# Altium PCB Pannel3.5x2 Ver0.2.PcbDoc (part 3 of 4)
Units mil, origin at the board's own origin, x right, y up, seen from the top; angles counter-clockwise.
Board outline 4133.86 x 2283.46 mil, 4 copper layers (SIGNAL, GROUND, PWR, SIGNAL (Bottom)), stack 61.627 mil thick; 222 components, 165 nets, 808 pads, 673 vias.
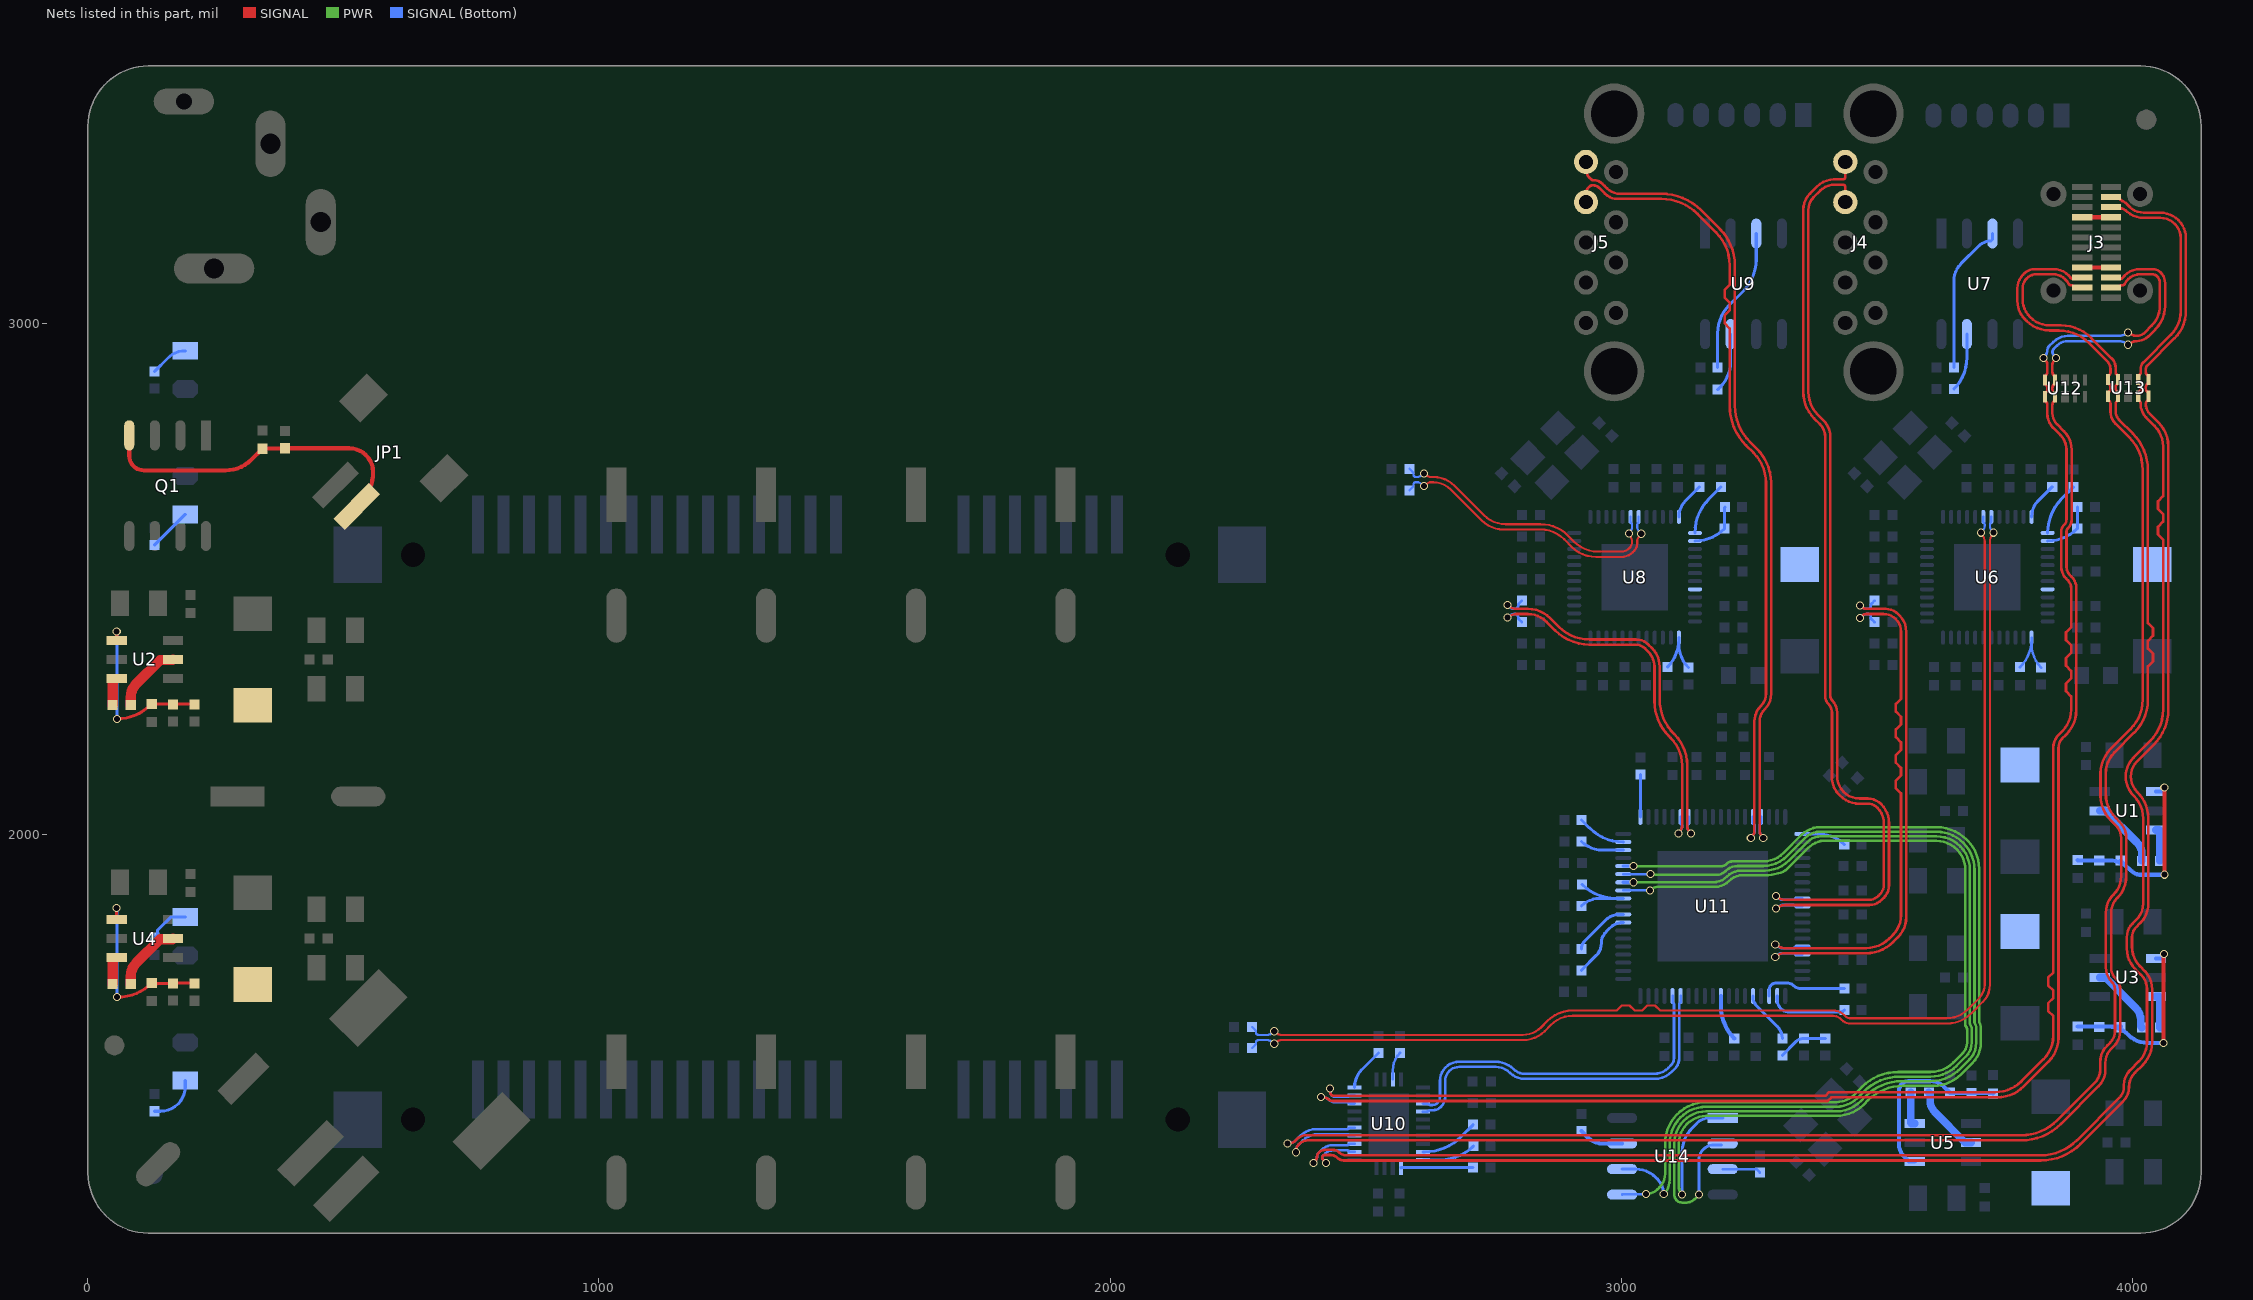
[diagram p5: the nets of this part, all layers, seen from the top]

## Via types
v1: diameter 15.75, hole 11.81, SIGNAL to SIGNAL (Bottom), tented both sides, 673 vias

## Nets (pads, with @x,y where several pads share a name; then routed paths per layer and width w, separated by ;. In a path a pad name is that pad's centre, name@x,y a point inside that pad or via, vN(x,y) a via of type N, cw(c..) or ccw(c..) an arc to the next point about the centre after c; other vN are vias at no path point) (continued)
IN_SSRX2_N: J3.A11 U10.9 U12.5 U12.6 | length 3387.3
  SIGNAL w5.1: v1(2430,1503) cw(c2428.03,1501.03) 2430.82,1501.03 2430.82,1494.69 ccw(c2437.16,1494.69) 2432.47,1490.43 ccw(c2437.16,1494.69) 2432.68,1490.21 ccw(c2437.16,1494.69) 2437.16,1488.35 3399.35,1488.35 3406.64,1495.64 3731.54,1495.64 ccw(c3731.54,1568.46) 3783,1516.94 ; 3783.03,1516.97 3826.03,1559.97 ccw(c3780.01,1605.99) 3845.09,1605.99 3845.09,1629.5 3845.09,1644.5 3835.09,1654.5 3835.09,1669.5 3845.09,1679.5 3845.09,1694.5 3835.09,1704.5 3835.09,1719.5 3845.09,1729.5 3845.09,1775.5 3845.09,2169.67 cw(c3879.89,2169.67) 3845.09,2169.76 cw(c3879.89,2169.67) 3855.23,2194.23 cw(c3879.89,2169.67) 3855.28,2194.28 3862.54,2201.54 ccw(c3820.4,2243.69) 3880,2243.69 3880,2254.94 3880,2269.94 3870,2279.94 3870,2294.94 3880,2304.94 3880,2319.94 3870,2329.94 3870,2344.94 3880,2354.94 3880,2369.94 3870,2379.94 3870,2394.94 3880,2404.94 3880,2465 3880,2481.2 ccw(c3857.31,2481.2) 3873.35,2497.25 3869.97,2500.64 cw(c3892.12,2522.79) 3860.79,2522.79 3860.79,2591.71 cw(c3880.99,2591.71) 3860.79,2591.77 cw(c3880.99,2591.71) 3866.68,2605.96 ccw(c3856.55,2616.13) 3870.9,2616.13 3870.9,2752.54 ccw(c3830.5,2752.54) 3859.07,2781.11 3845.03,2795.14 cw(c3873.33,2823.44) 3844.99,2795.18 cw(c3873.33,2823.44) 3833.31,2823.44 3833.31,2840.12 ccw(c3823.11,2840.12) U12.6@3830.33,2847.33 ; v1@3829.74,2927.27 cw(c3821.1,2918.63) 3833.31,2918.63 3833.31,2904.57 cw(c3823.11,2904.57) 3830.32,2897.36 3829.91,2897.36 3829.21,2896.66 ccw(c3830.89,2894.99) 3828.52,2894.99 U12.5@3828.52,2888.78 3828.52,2882.58 ccw(c3830.89,2882.58) 3829.21,2880.9 3829.91,2880.21 3830.32,2880.21 cw(c3823.11,2873) 3833.31,2873 3833.31,2869.58 cw(c3828.21,2869.58) 3831.82,2865.98 3830.32,2864.48 3829.91,2864.48 ccw(c3833.26,2861.13) 3828.52,2861.13 U12.6@3828.52,2855.91 3828.52,2849.7 ccw(c3830.89,2849.7) 3829.21,2848.03 3829.91,2847.34 U12.6@3830.32,2847.34 ; J3.A11@3958.34,3069.42 3968.74,3069.42 ccw(c3968.74,3077.6) 3974.52,3071.81 cw(c3980.3,3066.03) 3980.3,3074.21 ccw(c3980.3,3079.31) 3984.51,3076.43 3988.19,3081.76 cw(c4014.64,3063.51) 3991.86,3086.18 cw(c4014.64,3063.51) 3991.97,3086.29 cw(c4014.64,3063.51) 4014.64,3095.65 4038.91,3095.65 cw(c4038.91,3082.52) 4048.18,3091.82 cw(c4034.91,3078.52) 4053.7,3078.52 4053.7,3033.95 cw(c3998.75,3033.95) 4037.63,2995.11 ; v1(3991,2982.15) cw(c3991,2979.36) 3992.97,2981.34 ccw(c4008.27,2996.63) 4006.1,2975.11 ccw(c4008.27,2996.63) 4008.27,2975 ccw(c4008.27,2997.31) 4024.03,2981.52 ; 4024.05,2981.53 4037.61,2995.09
  SIGNAL (Bottom) w5.1: v1@2430.82,1496.14 ccw(c2440.67,1496.14) 2433.7,1489.18 ccw(c2440.67,1496.14) 2433.93,1488.96 ccw(c2440.67,1496.14) 2440.67,1486.29 2463.4,1486.29 ccw(c2463.4,1491.12) 2466.81,1487.71 cw(c2470.23,1484.3) 2470.23,1489.12 U10.9@2478.07,1489.12 ; v1(3826.16,2932) cw(c3828.95,2932) v1@3826.98,2933.97 ; v1@3826.98,2933.97 3829.46,2936.46 ccw(c3820.16,2945.76) 3833.31,2945.76 cw(c3846.46,2945.76) 3837.16,2955.06 3845.24,2963.13 cw(c3873.9,2934.47) 3845.3,2963.19 cw(c3873.9,2934.47) 3873.9,2975 3973.73,2975 ccw(c3973.73,2996.63) 3989.03,2981.34 cw(c3991,2979.36) v1(3991,2982.15)
IN_SSRX2_P: J3.A10 U10.8 U12.4 U12.7 | length 3393
  SIGNAL w5.1: v1(2412.74,1485.74) ccw(c2414.71,1487.71) 2414.71,1484.92 2418.96,1484.92 cw(c2418.96,1473.53) 2427.01,1481.59 ccw(c2435.07,1489.64) 2435.07,1478.25 3403.53,1478.25 3410.83,1485.54 3735.72,1485.54 ccw(c3735.72,1558.36) 3787.18,1506.84 3836.13,1555.79 ccw(c3790.11,1601.8) 3855.19,1601.8 3855.19,2169.64 cw(c3879.98,2169.64) 3862.45,2187.17 3869.71,2194.43 ccw(c3820.49,2243.65) 3869.77,2194.48 ccw(c3820.49,2243.65) 3890.1,2243.65 3890.1,2481.25 ccw(c3857.41,2481.25) 3880.53,2504.36 3877.17,2507.72 ; v1@3846.99,2927.27 ccw(c3855.63,2918.63) 3843.41,2918.63 3843.41,2904.57 ccw(c3853.61,2904.57) 3846.4,2897.36 3846.82,2897.36 3847.51,2896.66 cw(c3845.84,2894.99) 3848.2,2894.99 U12.4@3848.2,2888.78 3848.2,2882.58 cw(c3845.84,2882.58) 3847.51,2880.9 3846.82,2880.21 3846.4,2880.21 ccw(c3853.61,2873) 3843.41,2873 3843.41,2869.58 ccw(c3848.51,2869.58) 3844.91,2865.98 3846.4,2864.48 3846.82,2864.48 cw(c3843.47,2861.13) 3848.2,2861.13 U12.7@3848.2,2855.91 3848.2,2849.7 cw(c3845.84,2849.7) 3847.51,2848.03 3846.82,2847.34 3846.4,2847.34 ccw(c3853.61,2840.12) 3843.41,2840.12 3843.41,2823.49 ccw(c3873.46,2823.49) 3852.21,2802.25 3866.25,2788.21 cw(c3830.65,2752.61) 3881,2752.61 3881,2616.08 cw(c3856.66,2616.08) 3873.86,2598.86 ccw(c3881.08,2591.67) 3870.89,2591.67 3870.89,2522.88 ccw(c3892.34,2522.88) 3877.15,2507.74 ; J3.A10@3958.34,3089.1 3968.74,3089.1 cw(c3968.74,3080.92) 3974.52,3086.71 3975.48,3086.54 3976.57,3086.54 ccw(c3976.57,3091.64) 3980.65,3088.58 cw(c4014.64,3063.51) 4014.64,3105.75 4040.17,3105.75 cw(c4040.17,3085.55) 4054.45,3099.83 4055.38,3098.91 cw(c4035.04,3078.57) 4063.8,3078.57 4063.8,3033.82 cw(c3999.05,3033.82) 4044.83,2988.04 4031.13,2974.33 cw(c4008.36,2997.1) 4008.36,2964.9 4008.27,2964.9 ccw(c4008.27,2943.27) 4006.1,2964.79 ccw(c4008.27,2943.27) 3992.97,2958.56 cw(c3991,2960.54) v1(3991,2957.75)
  SIGNAL (Bottom) w5.1: v1@2418.62,1484.92 cw(c2418.62,1472.71) 2425.2,1483 cw(c2418.62,1472.71) 2427.25,1481.35 2428.04,1480.55 ccw(c2438.57,1491.09) 2428.7,1479.94 ccw(c2438.57,1491.09) 2438.57,1476.19 2463.4,1476.19 cw(c2463.4,1471.37) 2466.81,1474.78 ccw(c2470.23,1478.19) 2470.23,1473.37 U10.8@2478.07,1473.37 ; v1@3849.75,2933.97 cw(c3847.77,2932) v1(3850.57,2932) ; v1@3849.75,2933.97 3845.78,2937.94 cw(c3851.51,2943.67) 3843.51,2942.42 cw(c3851.51,2943.67) 3843.41,2943.67 cw(c3851.51,2943.67) 3845.78,2949.38 3852.37,2955.98 cw(c3873.93,2934.38) 3873.93,2964.9 3973.73,2964.9 cw(c3973.73,2943.27) 3989.03,2958.56 ccw(c3991,2960.54) v1(3991,2957.75)
IN_SSTX1_N: J3.A3 U10.3 U13.2 U13.9 | length 3713.3
  SIGNAL w5.1: v1(2397.59,1357) cw(c2400.38,1357) v1@2398.41,1358.97 ; v1@2398.41,1358.97 2401.77,1362.34 ccw(c2394.6,1369.52) 2404.75,1369.52 cw(c2414.89,1369.52) 2407.71,1376.69 2409.24,1378.22 cw(c2419.88,1367.58) 2419.88,1382.62 2435.73,1382.62 cw(c2435.73,1364.49) 2448.55,1377.31 ccw(c2461.37,1390.14) 2461.37,1372 3820.32,1372 ccw(c3820.32,1472) 3891.03,1401.29 3974.48,1484.74 ccw(c3953.57,1505.64) 3983.14,1505.64 3983.14,1509.83 cw(c4022.81,1509.83) 3994.74,1537.86 ; J3.A3@3958.34,3226.9 ccw(c3961.21,3229.77) 3961.21,3225.71 3970.7,3225.71 cw(c3970.7,3198.75) 3989.77,3217.81 3989.82,3217.76 3989.88,3217.76 ccw(c4021.97,3255.67) 4021.97,3206 4054.42,3206 cw(c4054.42,3165.98) 4082.7,3194.3 cw(c4054.42,3165.98) 4094.45,3165.98 4094.45,3023.58 cw(c4029.42,3023.58) 4075.4,2977.6 4021.28,2923.48 ccw(c4033.78,2910.99) 4016.11,2910.99 4016.11,2903.55 cw(c4011.01,2903.55) 4014.61,2899.94 4013.12,2898.45 4012.7,2898.45 ccw(c4016.05,2895.1) 4011.31,2895.1 U13.2@4011.31,2889.87 4011.31,2883.67 ccw(c4013.68,2883.67) 4012.01,2882 4012.7,2881.3 4013.12,2881.3 cw(c4005.91,2874.09) 4016.11,2874.09 4016.11,2870.67 cw(c4011.01,2870.67) 4014.61,2867.07 4013.12,2865.57 4012.7,2865.57 ccw(c4016.05,2862.22) 4011.31,2862.22 U13.9@4011.31,2857 4011.31,2850.8 ccw(c4013.68,2850.8) 4012.01,2849.12 4012.7,2848.43 U13.9@4013.12,2848.43 ; 3994.76,1537.88 4012.94,1556.06 ccw(c3975.74,1593.26) 4028.35,1593.26 4028.35,1697.27 ccw(c3988.8,1697.27) 4016.78,1725.22 ; 4002,2076 cw(c4039.01,2112.94) 3986.72,2112.94 3986.72,2113.03 cw(c4039.04,2113.03) 3986.72,2113.13 cw(c4039.04,2113.03) 4002.03,2150.02 ; 4002.03,2075.97 cw(c3956.24,2030.18) 4021,2030.18 4021,1864.73 cw(c3976.47,1864.73) 4007.97,1833.25 3999.97,1825.25 ccw(c4026.46,1798.77) 3999.91,1825.19 ccw(c4026.46,1798.77) 3989,1798.85 ccw(c4026.46,1798.77) 3989,1798.77 3989,1775.88 ccw(c4044.25,1775.88) 4005.18,1736.82 4016.77,1725.23 ; 4002.04,2150.03 4034.51,2182.49 ccw(c3972.96,2244.04) 4060,2244.04 4060,2561.5 4060,2576.5 4050,2586.5 4050,2601.5 4060,2611.5 4060,2626.5 4050,2636.5 4050,2651.5 4060,2661.5 4060,2705 4060,2758.7 ccw(c4003.2,2758.7) 4043.37,2798.85 4026.73,2815.49 ; U13.9@4013.12,2848.42 cw(c4005.91,2841.22) 4016.11,2841.22 4016.11,2841.14 ccw(c4052.38,2841.14) 4026.7,2815.52
  SIGNAL (Bottom) w5.1: v1@2401.77,1362.34 ccw(c2394.6,1369.52) 2404.75,1369.52 cw(c2414.89,1369.52) 2407.71,1376.69 2413.82,1382.79 cw(c2435.59,1361.02) 2435.59,1391.81 2463.41,1391.81 ccw(c2463.41,1396.62) U10.3@2466.81,1393.21 ; U10.3@2466.83,1393.23 cw(c2470.22,1389.82) 2470.22,1394.63 U10.3@2478.07,1394.63
IN_SSTX1_P: J3.A2 U10.2 U13.1 U13.10 | length 3698
  SIGNAL w5.1: v1@2421.18,1358.97 cw(c2419.21,1357) v1(2422,1357) ; v1@2421.18,1358.97 2416.34,1363.82 cw(c2419.95,1367.42) 2414.85,1367.42 cw(c2419.95,1367.42) 2416.34,1371.03 cw(c2419.95,1367.42) 2419.95,1372.52 2431.54,1372.52 cw(c2431.54,1354.39) 2444.37,1367.21 ccw(c2457.19,1380.04) 2457.19,1361.9 3820.38,1361.9 ccw(c3820.38,1471.87) 3898.14,1394.11 3981.69,1477.66 ccw(c3953.79,1505.56) 3993.24,1505.56 3993.24,1505.64 cw(c4032.91,1505.64) 4004.86,1533.69 4020.16,1549 ccw(c3976.01,1593.15) 4038.45,1593.15 4038.45,1697.33 ccw(c3988.96,1697.33) 4023.96,1732.33 4015.28,1741 ; J3.A2@3958.34,3246.58 3961.66,3246.58 cw(c3961.66,3221.33) 3979.52,3239.18 cw(c3978.03,3232.81) 3981.58,3238.31 3986.69,3235.01 cw(c3983.93,3230.73) 3987.53,3234.33 3989.83,3232.04 cw(c3986.2,3228.45) 3990.09,3231.76 ccw(c4014.64,3252.49) 3991.86,3229.82 ccw(c4014.64,3252.49) 3991.97,3229.71 ccw(c4014.64,3252.49) 3993.25,3228.51 cw(c3989.84,3224.71) 3993.37,3228.39 3994.01,3227.78 3993.95,3227.73 ccw(c4022.03,3255.8) 4022.03,3216.1 4054.56,3216.1 cw(c4054.56,3166.31) 4089.77,3201.52 4089.96,3201.33 cw(c4054.74,3166.11) 4104.55,3166.11 4104.55,3023.46 cw(c4029.7,3023.46) 4082.62,2970.54 4028.47,2916.38 ccw(c4033.93,2910.93) 4026.21,2910.93 4026.21,2903.55 ccw(c4031.31,2903.55) 4027.7,2899.94 4029.2,2898.45 4029.61,2898.45 cw(c4026.26,2895.1) 4031,2895.1 U13.1@4031,2889.87 4031,2883.67 cw(c4028.63,2883.67) 4030.31,2882 4029.61,2881.3 4029.2,2881.3 ccw(c4036.41,2874.09) 4026.21,2874.09 4026.21,2870.67 ccw(c4031.31,2870.67) 4027.7,2867.07 4029.2,2865.57 4029.61,2865.57 cw(c4026.26,2862.22) 4031,2862.22 U13.10@4031,2857 4031,2850.8 cw(c4028.63,2850.8) 4030.31,2849.12 4029.61,2848.43 U13.10@4029.2,2848.43 ; 4009.21,2083.07 cw(c4039.14,2112.99) 3996.82,2112.99 cw(c4039.14,2112.99) 4009.21,2142.92 4041.67,2175.38 ccw(c3973.05,2244) 4041.76,2175.46 ccw(c3973.05,2244) 4070.1,2244 4070.1,2758.85 ccw(c4003.58,2758.85) 4050.62,2805.89 4033.93,2822.58 ; 4009.25,2083.04 cw(c3956.42,2030.25) 4031.1,2030.25 4031.1,1864.62 cw(c3976.74,1864.62) 4015.18,1826.18 4007.14,1818.14 ccw(c4026.55,1798.73) 3999.1,1798.73 3999.1,1780.07 ccw(c4054.35,1780.07) 4015.26,1741.03 ; U13.10@4029.19,2848.42 ccw(c4036.41,2841.22) 4026.21,2841.22 ccw(c4052.57,2841.22) 4033.91,2822.59
  SIGNAL (Bottom) w5.1: 2416.33,1363.82 cw(c2419.95,1367.42) 2414.85,1367.42 cw(c2419.95,1367.42) 2416.33,1371.03 2420.93,1375.62 cw(c2435.63,1360.93) 2435.63,1381.71 2463.41,1381.71 cw(c2463.41,1376.9) U10.2@2466.81,1380.31 ; U10.2@2466.83,1380.29 ccw(c2470.22,1383.7) 2470.22,1378.89 U10.2@2478.07,1378.89
IN_SSTX2_N: J3.B2 U10.4 U13.4 U13.7 | length 3673.7
  SIGNAL w5.1: v1(2364,1378) ccw(c2362.03,1379.97) 2364.82,1379.97 2364.82,1383.88 cw(c2377.03,1383.88) 2368.4,1392.51 2370.92,1395.04 cw(c2385.66,1380.3) 2385.66,1401.14 3782.08,1401.14 ccw(c3782.08,1511.12) 3859.84,1433.35 3933.9,1507.42 ccw(c3902.28,1539.04) 3947,1539.04 3947,1553.37 cw(c3984.74,1553.37) 3958.03,1580.03 3964.07,1586.07 ccw(c3935.33,1614.81) 3975.97,1614.81 3975.97,1696.39 ccw(c3945.46,1696.39) 3967.06,1717.94 ; 3799.71,3011.7 cw(c3835.24,3047.22) 3785,3047.22 3785,3068.03 cw(c3812.62,3068.03) 3793.09,3087.56 cw(c3812.62,3068.03) 3812.62,3095.65 3845.35,3095.65 cw(c3845.35,3063.51) 3868.06,3086.26 cw(c3845.35,3063.51) 3868.11,3086.21 cw(c3845.35,3063.51) 3871.81,3081.76 3875.47,3076.45 ; 3799.74,3011.67 ccw(c3838.13,3050.11) 3838.13,2995.79 3859.88,2995.79 cw(c3859.88,2911.79) 3919.27,2971.19 3959.42,2931.03 cw(c3940.75,2912.37) 3967.15,2912.37 3967.15,2903.55 ccw(c3972.25,2903.55) 3968.65,2899.94 3970.14,2898.45 3970.56,2898.45 cw(c3967.21,2895.1) 3971.94,2895.1 U13.4@3971.94,2889.87 3971.94,2883.67 cw(c3969.58,2883.67) 3971.25,2882 3970.56,2881.3 3970.14,2881.3 ccw(c3977.35,2874.09) 3967.15,2874.09 3967.15,2870.67 ccw(c3972.25,2870.67) 3968.65,2867.07 3970.14,2865.57 3970.56,2865.57 cw(c3967.21,2862.22) 3971.94,2862.22 U13.7@3971.94,2857 3971.94,2850.8 cw(c3969.58,2850.8) 3971.25,2849.12 3970.56,2848.43 U13.7@3970.14,2848.43 ; 3875.48,3076.45 ccw(c3879.7,3079.31) 3879.7,3074.21 cw(c3879.7,3066.03) J3.B2@3885.47,3071.83 ; J3.B2@3885.49,3071.8 ccw(c3891.26,3077.6) 3891.26,3069.42 J3.B2@3901.65,3069.42 ; 3964.58,2159.95 ccw(c4005.58,2119) 3947.63,2119 3947.63,2080.12 ccw(c4016.37,2080.12) 3967.77,2031.52 3974.93,2024.36 cw(c3943.61,1993.04) 3987.9,1993.04 3987.9,1918.11 cw(c3927.02,1918.11) 3970.13,1875.13 cw(c3927.02,1918.11) 3970.07,1875.07 ccw(c3998.96,1846.18) 3958.1,1846.18 3958.1,1739.54 ccw(c3988.61,1739.54) 3967.02,1717.98 ; 3964.61,2159.98 4003.42,2198.78 ccw(c3938.99,2263.21) 4030.1,2263.21 4030.1,2313.5 4030.1,2328.5 4040.1,2338.5 4040.1,2353.5 4030.1,2363.5 4030.1,2378.5 4040.1,2388.5 4040.1,2403.5 4030.1,2413.5 4030.1,2428.5 4030.1,2713 ccw(c3929.75,2713) 4000.71,2783.96 3974.05,2810.62 ; U13.7@3970.14,2848.42 ccw(c3977.35,2841.22) 3967.15,2841.22 3967.15,2827.27 ccw(c3990.71,2827.27) 3974.04,2810.63
  SIGNAL (Bottom) w5.1: v1@2364.82,1383.88 cw(c2377.03,1383.88) 2368.4,1392.51 2376.95,1401.07 cw(c2406.25,1371.78) 2406.25,1413.2 2463.4,1413.2 cw(c2463.4,1408.38) 2466.81,1411.79 ccw(c2470.23,1415.2) 2470.23,1410.38 U10.4@2478.07,1410.38
IN_SSTX2_P: J3.B3 U10.5 U13.5 U13.6 | length 3671.4
  SIGNAL w5.1: v1(2346.74,1395.26) cw(c2348.71,1393.29) 2348.71,1396.08 2352.62,1396.08 ccw(c2352.62,1408.29) 2361.25,1399.65 2365.26,1403.66 cw(c2383.57,1385.35) 2383.57,1411.24 3782.02,1411.24 ccw(c3782.02,1511.24) 3852.73,1440.53 3926.73,1514.53 ccw(c3902.17,1539.09) 3936.9,1539.09 3936.9,1553.47 cw(c3984.48,1553.47) 3950.84,1587.12 3956.86,1593.15 ccw(c3935.12,1614.89) 3965.87,1614.89 3965.87,1696.3 ccw(c3945.25,1696.3) 3959.83,1710.88 ; 3790.21,3006.92 3792.63,3004.49 ccw(c3838.04,3049.9) 3838.04,2985.69 3855.69,2985.69 cw(c3855.69,2901.69) 3915.09,2961.09 3950.8,2925.37 cw(c3935.7,2910.28) 3957.05,2910.28 3957.05,2903.55 cw(c3951.95,2903.55) 3955.56,2899.94 3954.06,2898.45 3953.65,2898.45 ccw(c3957,2895.1) 3952.26,2895.1 U13.5@3952.26,2889.87 3952.26,2883.67 ccw(c3954.63,2883.67) 3952.95,2882 3953.65,2881.3 3954.06,2881.3 cw(c3946.85,2874.09) 3957.05,2874.09 3957.05,2870.67 cw(c3951.95,2870.67) 3955.56,2867.07 3954.06,2865.57 3953.65,2865.57 ccw(c3957,2862.22) 3952.26,2862.22 U13.6@3952.26,2857 3952.26,2850.8 ccw(c3954.63,2850.8) 3952.95,2849.12 3953.65,2848.43 U13.6@3954.06,2848.43 ; 3790.2,3006.93 cw(c3827.18,3043.89) 3774.9,3043.89 3774.9,3068.12 cw(c3812.4,3068.12) 3785.88,3094.64 3788.91,3097.66 cw(c3808.43,3078.13) 3808.43,3105.75 3845.35,3105.75 cw(c3845.35,3063.51) 3875.17,3093.43 cw(c3845.35,3063.51) 3875.27,3093.33 cw(c3845.35,3063.51) 3879.31,3088.64 ccw(c3883.43,3091.64) 3883.43,3086.54 3884.52,3086.54 3885.48,3086.7 cw(c3891.26,3080.92) 3891.26,3089.1 J3.B3@3901.65,3089.1 ; U13.6@3954.07,2848.42 cw(c3946.85,2841.22) 3957.05,2841.22 3957.05,2827.19 ccw(c3990.52,2827.19) 3966.83,2803.55 3993.43,2776.96 ; 3959.82,1710.89 cw(c3988.4,1739.45) 3948,1739.45 3948,1846.28 cw(c3998.7,1846.28) 3962.85,1882.13 3962.9,1882.18 ccw(c3926.93,1918.15) 3977.8,1918.15 3977.8,1992.97 ccw(c3943.43,1992.97) 3967.76,2017.24 3957.67,2027.33 cw(c4006.27,2075.94) 3937.53,2075.94 3937.53,2119.08 cw(c4005.38,2119.08) 3937.53,2119.2 cw(c4005.38,2119.08) 3957.37,2167.02 cw(c4005.38,2119.08) 3957.41,2167.06 3996.17,2205.83 ccw(c3938.65,2263.35) 4020,2263.35 4020,2712.8 ccw(c3929.28,2712.8) 3993.46,2776.92
  SIGNAL (Bottom) w5.1: v1@2352.62,1396.08 ccw(c2352.62,1408.29) 2361.25,1399.65 2371.29,1409.69 cw(c2404.16,1376.83) 2404.16,1423.3 2463.4,1423.3 ccw(c2463.4,1428.13) 2466.81,1424.72 cw(c2470.23,1421.31) 2470.23,1426.13 U10.5@2478.07,1426.13
LXO-B: L6.1 U6.44
LXO-C: L7.1 U8.44
NetC3_1: C3.1 U1.6 | length 67.5
  SIGNAL (Bottom) w15: U1.6@4046,2008.6 4052.36,2008.6 4053.72,2007.24 C3.1@4053.72,1948
NetC3_2: C3.2 L1.1 U1.2 | length 137
  SIGNAL (Bottom) w15: U1.2@3936,2046 3946.83,2046 4008.9,1983.93 ; 4008.92,1983.91 cw(c3986.24,1961.27) 4018.28,1961.27 C3.2@4018.28,1948
NetC4_1: C4.1 U2.6 | length 50.5
  SIGNAL w20: C4.1@48.57,2253 U2.6@48.57,2303.46
NetC4_2: C4.2 L2.1 U2.2 | length 135.9
  SIGNAL w20: C4.2@84,2253 84,2268.3 cw(c120.93,2268.3) 94.81,2294.4 141.27,2340.86 165.52,2340.86 U2.2@166.67,2342
NetC9_1: C9.1 R1.2 R3.1 U1.4 | length 391.8
  SIGNAL w8: v1(4062.21,2091.65) 4062.39,2091.47 4062.39,1921.11 v1(4062.57,1920.93)
  SIGNAL (Bottom) w8: C9.1@3893,1949.72 3893.56,1949.16 3954,1949.16 cw(c3954,1894.98) 3992.29,1933.31 ; R3.1@3977,1948.61 3992.29,1933.31 ; U1.4@4046,2083.4 4056.83,2083.4 4062.21,2088.79 v1(4062.21,2091.65) ; v1(4062.57,1920.93) 4014.89,1920.93 cw(c4014.89,1943.11) 4012.13,1921.1 cw(c4014.89,1943.11) 3999.2,1927.43 cw(c4026,1965.82) 3992.89,1932.71 3992.31,1933.29
NetC10_1: C10.1 R2.2 R4.1 U2.4 | length 349.4
  SIGNAL w6: v1(56.52,2397.07) 56.52,2379.54 U2.4@56.67,2379.4 ; v1(57,2226) ccw(c57,2320.19) 102.11,2237.51 ccw(c57,2320.19) 117.67,2248.14 ccw(c57,2320.19) C10.1@123.58,2253.57 ; C10.1@123.6,2253.59 C10.1@125,2254.98 207.89,2254.98 R4.1@209,2253.87
  SIGNAL (Bottom) w6: v1(56.52,2397.07) 56.76,2396.83 56.76,2226.24 v1(57,2226)
NetC17_1: C17.1 U3.6 | length 67.5
  SIGNAL (Bottom) w15: U3.6@4046,1682.6 4052.36,1682.6 4053.72,1681.24 C17.1@4053.72,1622
NetC17_2: C17.2 L3.1 U3.2 | length 137
  SIGNAL (Bottom) w15: U3.2@3936,1720 3946.83,1720 4006.56,1660.27 ; 4006.58,1660.25 cw(c3983.9,1637.61) 4015.94,1637.61 4015.94,1624.34 C17.2@4018.28,1622
NetC18_1: C18.1 U4.6 | length 50.5
  SIGNAL w20: C18.1@48.57,1707 U4.6@48.57,1757.46
NetC18_2: C18.2 L4.1 U4.2 | length 135.9
  SIGNAL w20: C18.2@84,1707 84,1722.3 cw(c120.93,1722.3) 94.81,1748.4 141.27,1794.86 165.52,1794.86 U4.2@166.67,1796
NetC23_1: C23.1 R5.2 R7.1 U3.4 | length 395.4
  SIGNAL w8: v1(4060.33,1592) 4061.01,1592.68 4061.01,1764.98 v1(4061.69,1765.66)
  SIGNAL (Bottom) w8: C23.1@3893,1623.72 3952.67,1623.72 ; R7.1@3977,1623.72 3952.67,1623.72 ; U3.4@4046,1757.4 4056.83,1757.4 4061.69,1762.26 v1(4061.69,1765.66) ; v1(4060.33,1592) 4029.25,1592 cw(c4029.25,1644.25) 3992.31,1607.29 ccw(c3952.67,1567.67) 3952.67,1623.72
NetC24_1: C24.1 R6.2 R8.1 U4.4 | length 365.8
  SIGNAL w6: v1(55.87,1855.98) 55.87,1834.19 U4.4@56.67,1833.4 ; v1(56.94,1681.29) 58.14,1681.29 ccw(c58.14,1775.84) 104.48,1693.42 ccw(c58.14,1775.84) C24.1@117.93,1702.59 ; C24.1@125,1708.98 cw(c58.14,1775.84) C24.1@117.93,1702.59 ; R6.2@167,1708 141.63,1708 ccw(c141.63,1653.37) C24.1@117.93,1702.59 ; R6.2@167,1708.98 207.89,1708.98 R8.1@209,1707.87
  SIGNAL (Bottom) w6: v1(55.87,1855.98) 56.94,1854.91 v1(56.94,1681.29)
NetC30_1: C30.1 U5.6 | length 67.5
  SIGNAL (Bottom) w15: C30.1@3566.28,1495 3566.28,1435.76 3567.64,1434.4 U5.6@3574,1434.4
NetC30_2: C30.2 L5.1 U5.2 | length 137
  SIGNAL (Bottom) w15: C30.2@3601.72,1495 3604.06,1492.66 3604.06,1479.39 ccw(c3636.1,1479.39) 3613.42,1456.75 ; 3613.44,1456.73 3673.17,1397 U5.2@3684,1397
NetC33_1: C33.1 R9.2 R10.1 U5.4 | length 358.9
  SIGNAL (Bottom) w8: U5.4@3574,1359.6 3563.17,1359.6 3553.19,1369.58 cw(c3577.29,1393.67) 3543.21,1393.67 3543.21,1498.28 cw(c3561.92,1498.28) 3548.69,1511.51 cw(c3561.92,1498.28) 3561.92,1516.99 3604.44,1516.99 cw(c3604.44,1478.42) 3631.7,1505.69 R10.1@3643,1494.39 3643.56,1493.84 3726.44,1493.84 C33.1@3727,1493.28
NetC36_2: C36.2 JP1.1 Q1.4 R11.2 | length 651.5
  SIGNAL w8: Q1.4@81,2780.43 81,2740.45 ccw(c109.45,2740.45) 89.33,2720.33 ccw(c109.45,2740.45) 109.45,2712 269.15,2712 ccw(c269.15,2784.18) 320.15,2733.11 ccw(c269.15,2784.18) 320.19,2733.14 C36.2@341.33,2754.28 341.82,2754.78 384.84,2754.78 R11.2@385.33,2755.27 511.45,2755.27 cw(c511.45,2708.72) 544.36,2741.64 ; JP1.1@526.13,2641.37 532.91,2648.16 ccw(c472.35,2708.72) 554.5,2684.5 ccw(c472.35,2708.72) 558,2708.72 ccw(c511.45,2708.72) 544.4,2741.6
NetC45_2: C45.2 R16.2 U6.38 | length 106.6
  SIGNAL (Bottom) w6: U6.38@3834.11,2573.87 ccw(c3834.11,2655.37) 3891.74,2597.74 ccw(c3889.04,2600.44) 3892.86,2600.44 R16.2@3892.86,2640